# Altium PCB Planter.PcbDoc
Units mm, origin at the board's own origin, x right, y up, seen from the top; angles counter-clockwise.
Board outline 36 x 34.64 mm, 4 copper layers (L1, L2, L3, L4), stack 1.581 mm thick; 45 components, 50 nets, 186 pads, 36 vias.
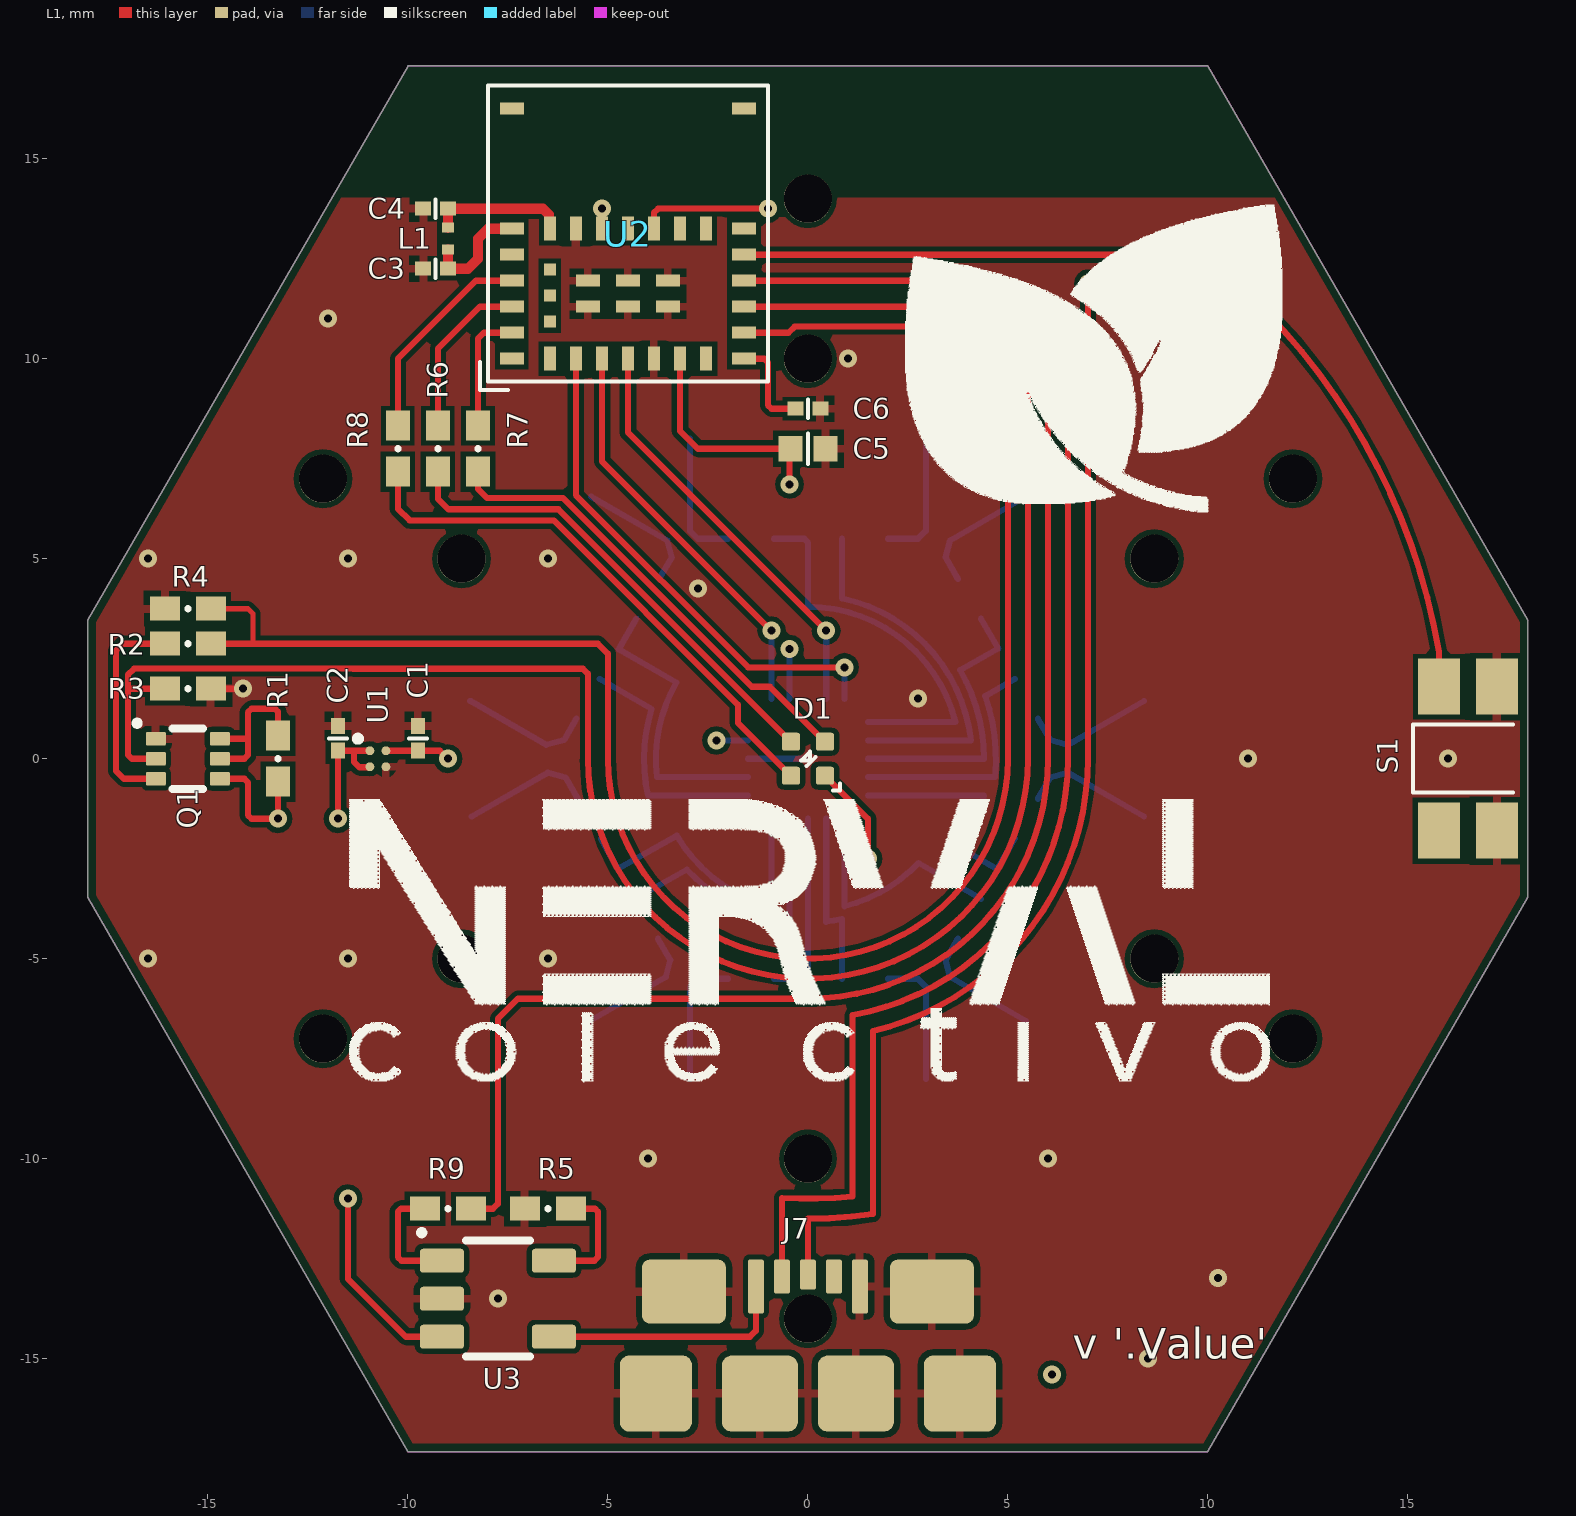
[diagram p0: L1 view]
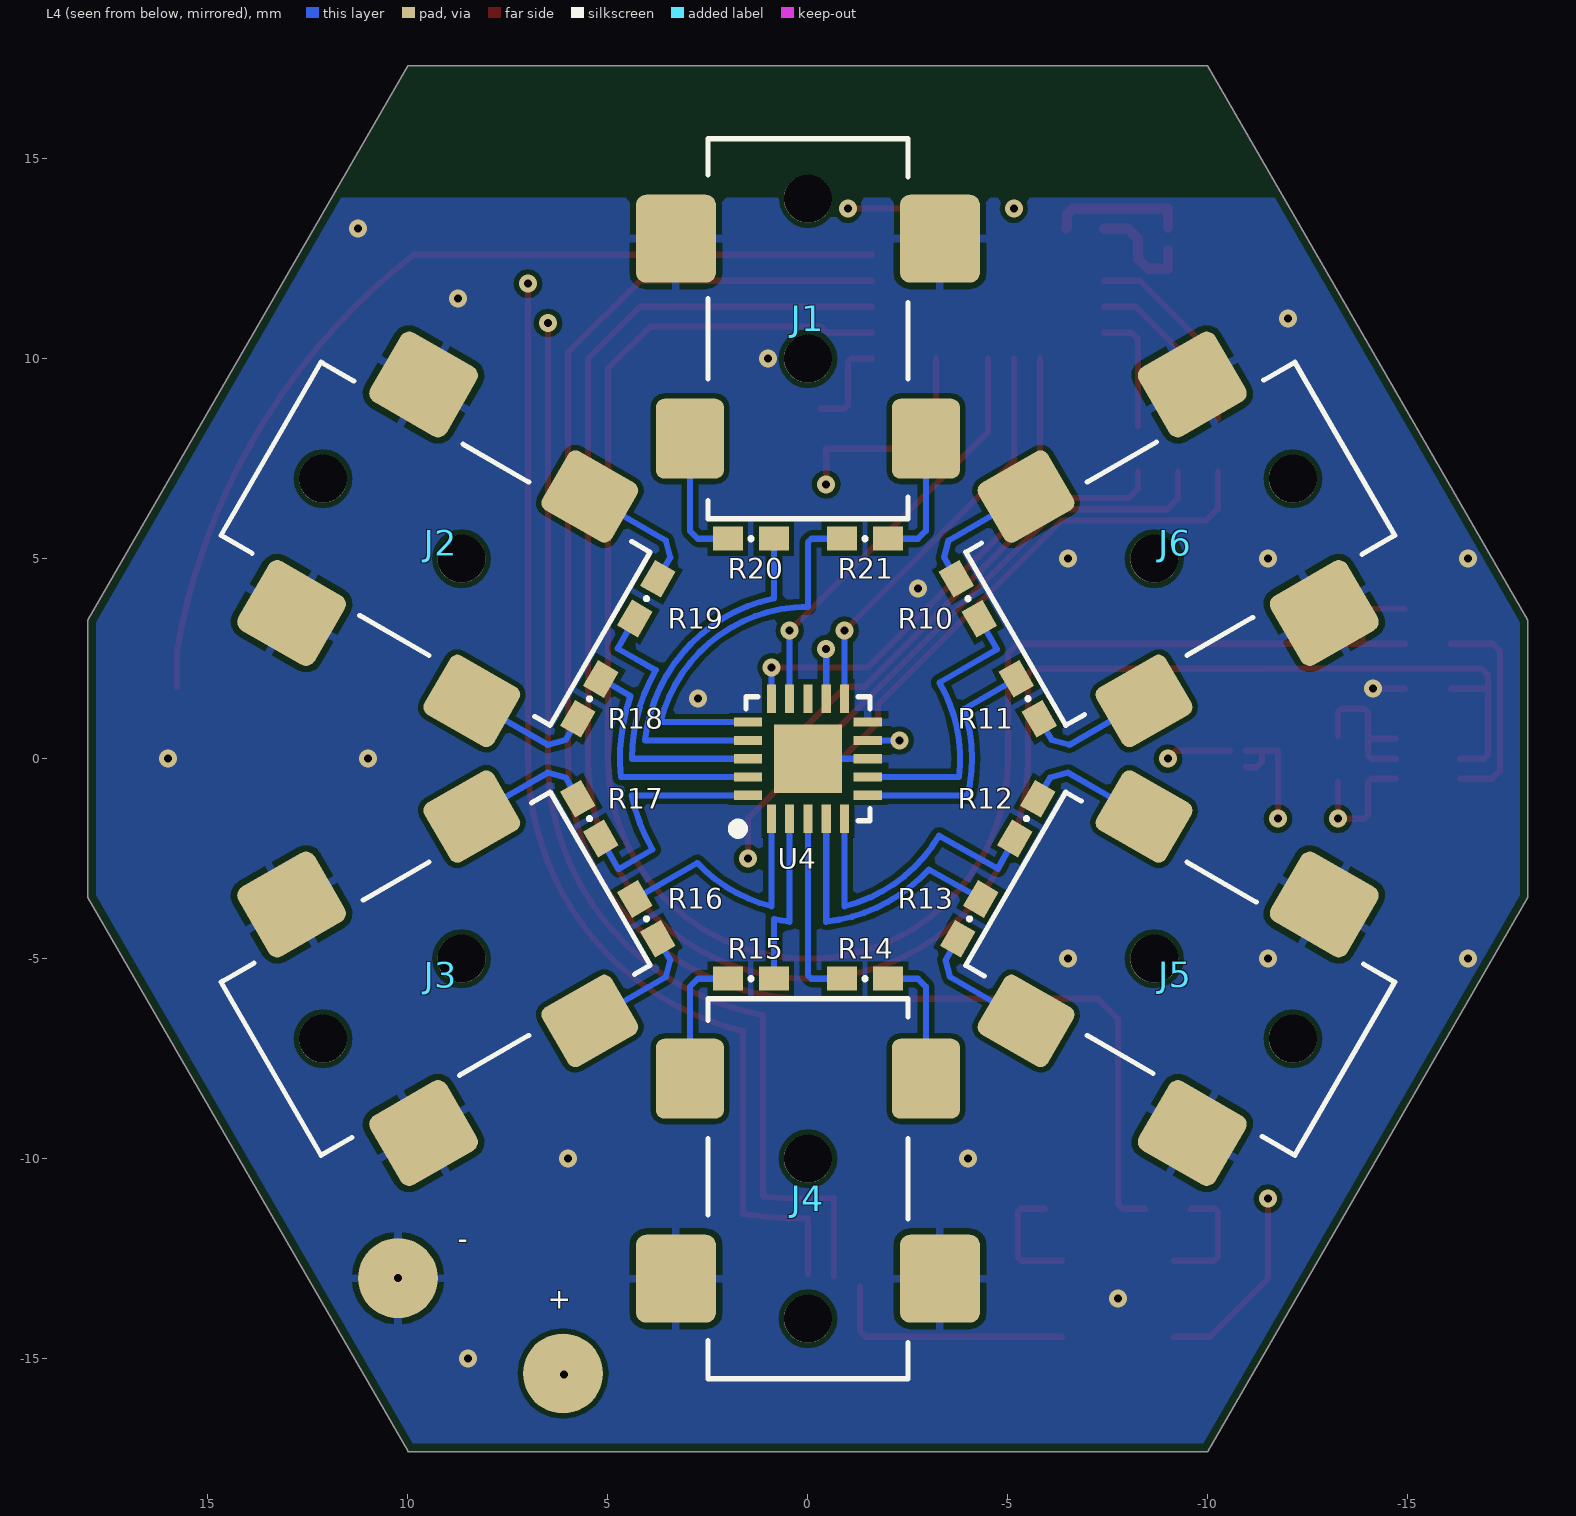
[diagram p1: L4 view, seen from below]
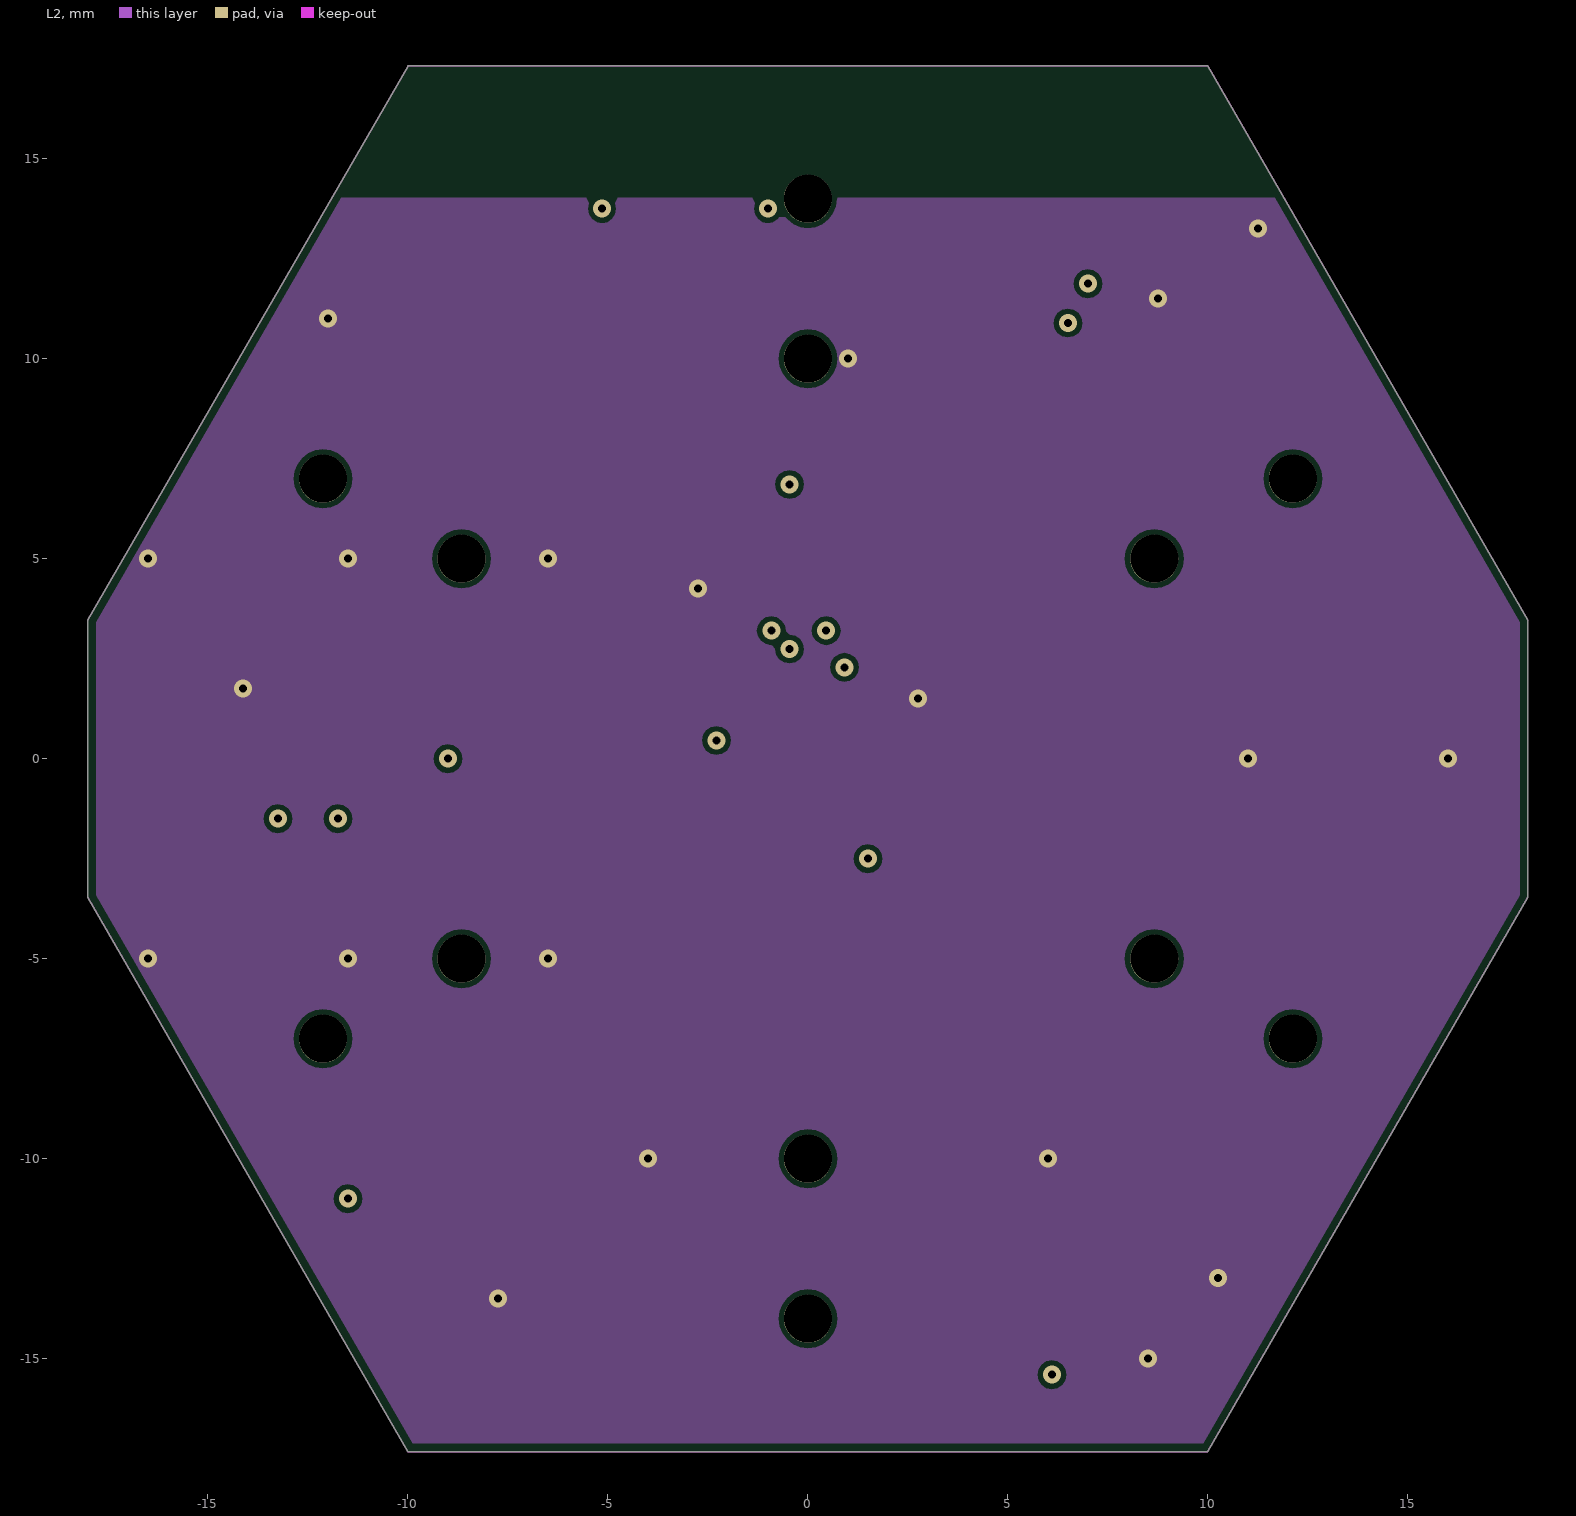
[diagram p2: L2]
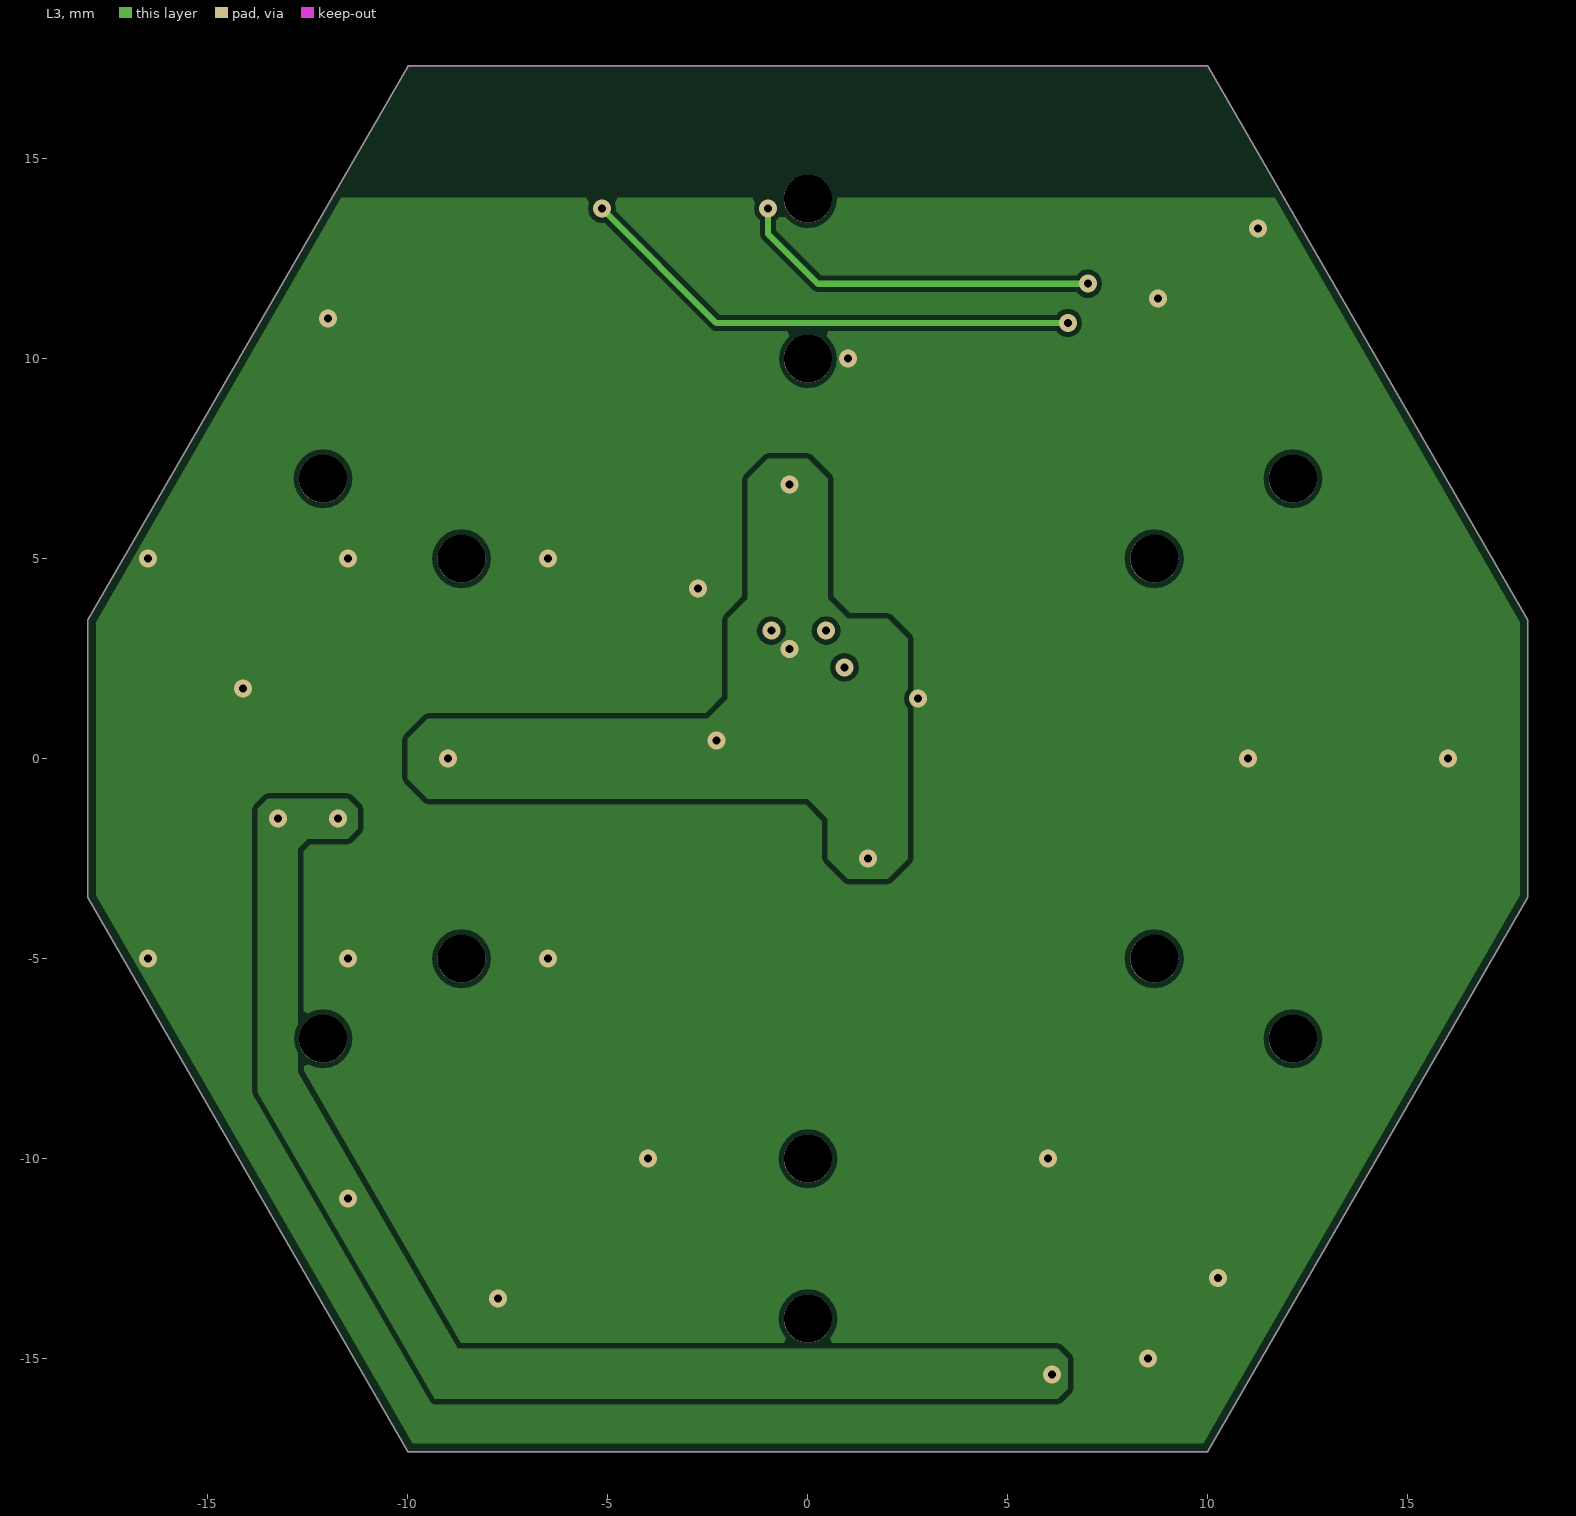
[diagram p3: L3]
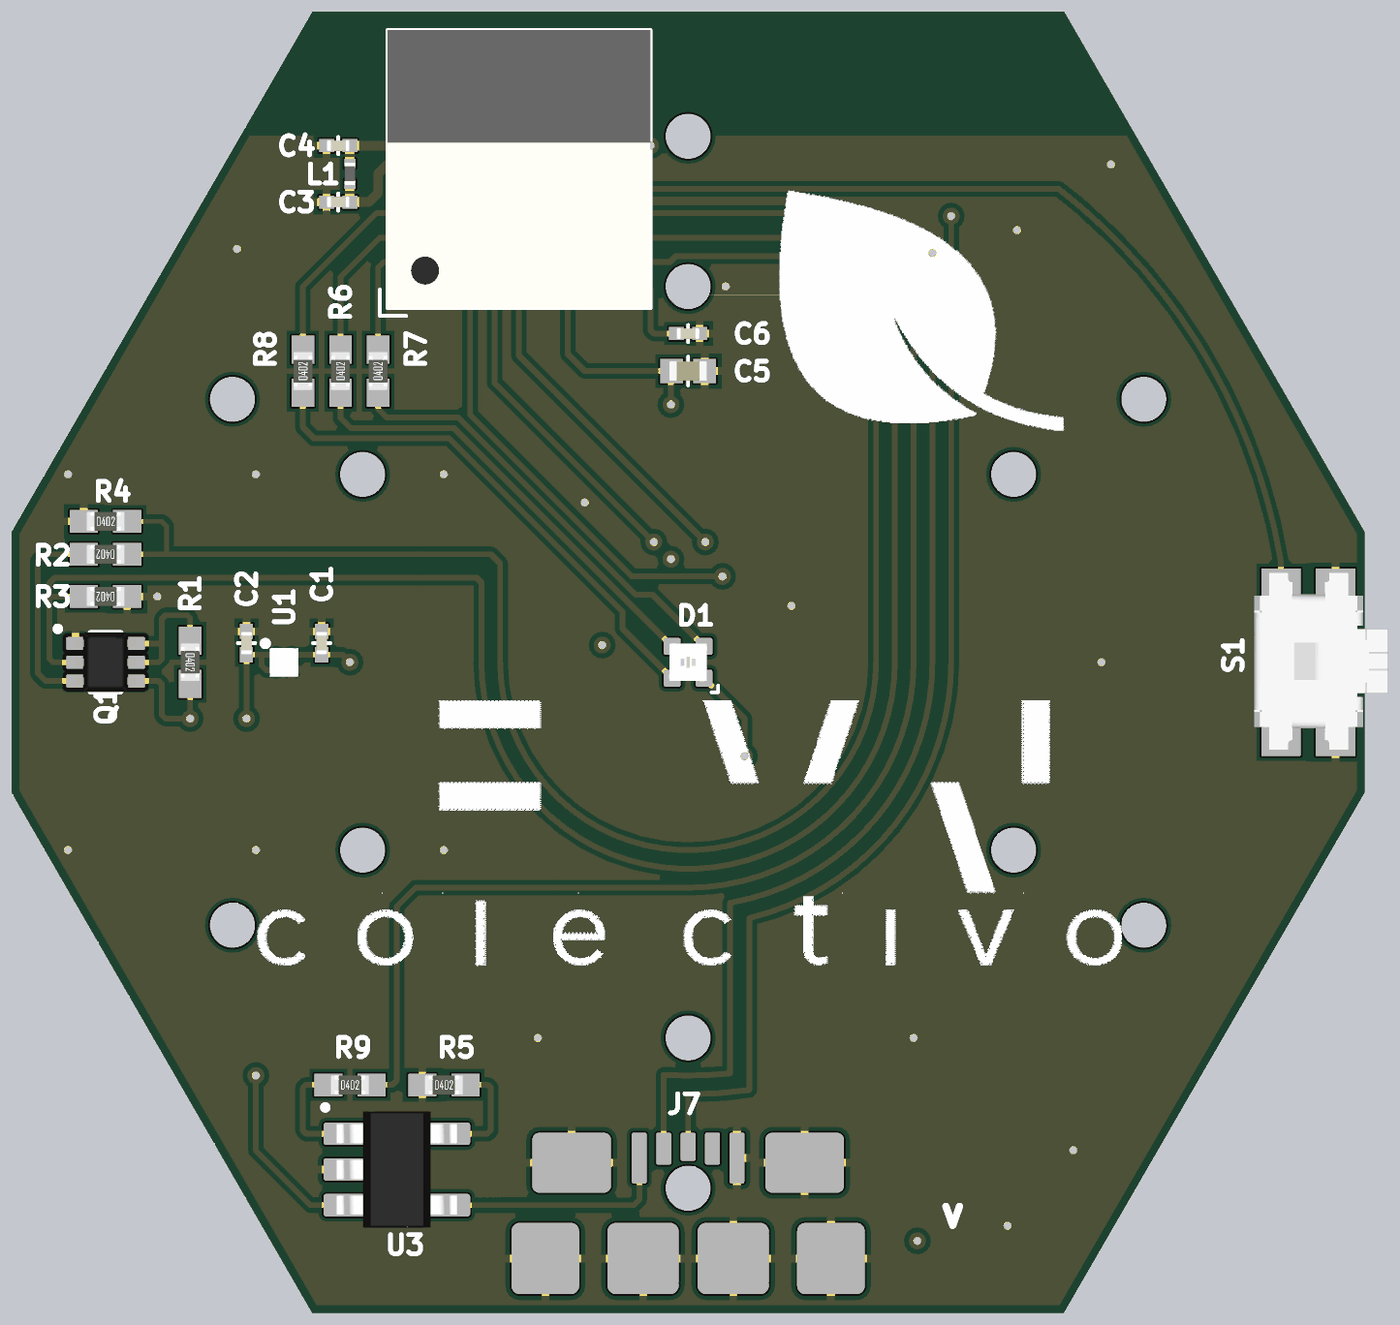
[diagram p4: 3D render of the assembled board from above, using the file's embedded part models]